# Altium PCB GPS_TRACKER.PcbDoc (part 1 of 2)
Units mm, origin at the board's own origin, x right, y up, seen from the top; angles counter-clockwise.
Board outline 98 x 99.63 mm, 2 copper layers (Top Layer, Bottom Layer), stack 1.57 mm thick; 93 components, 62 nets, 358 pads, 662 vias.
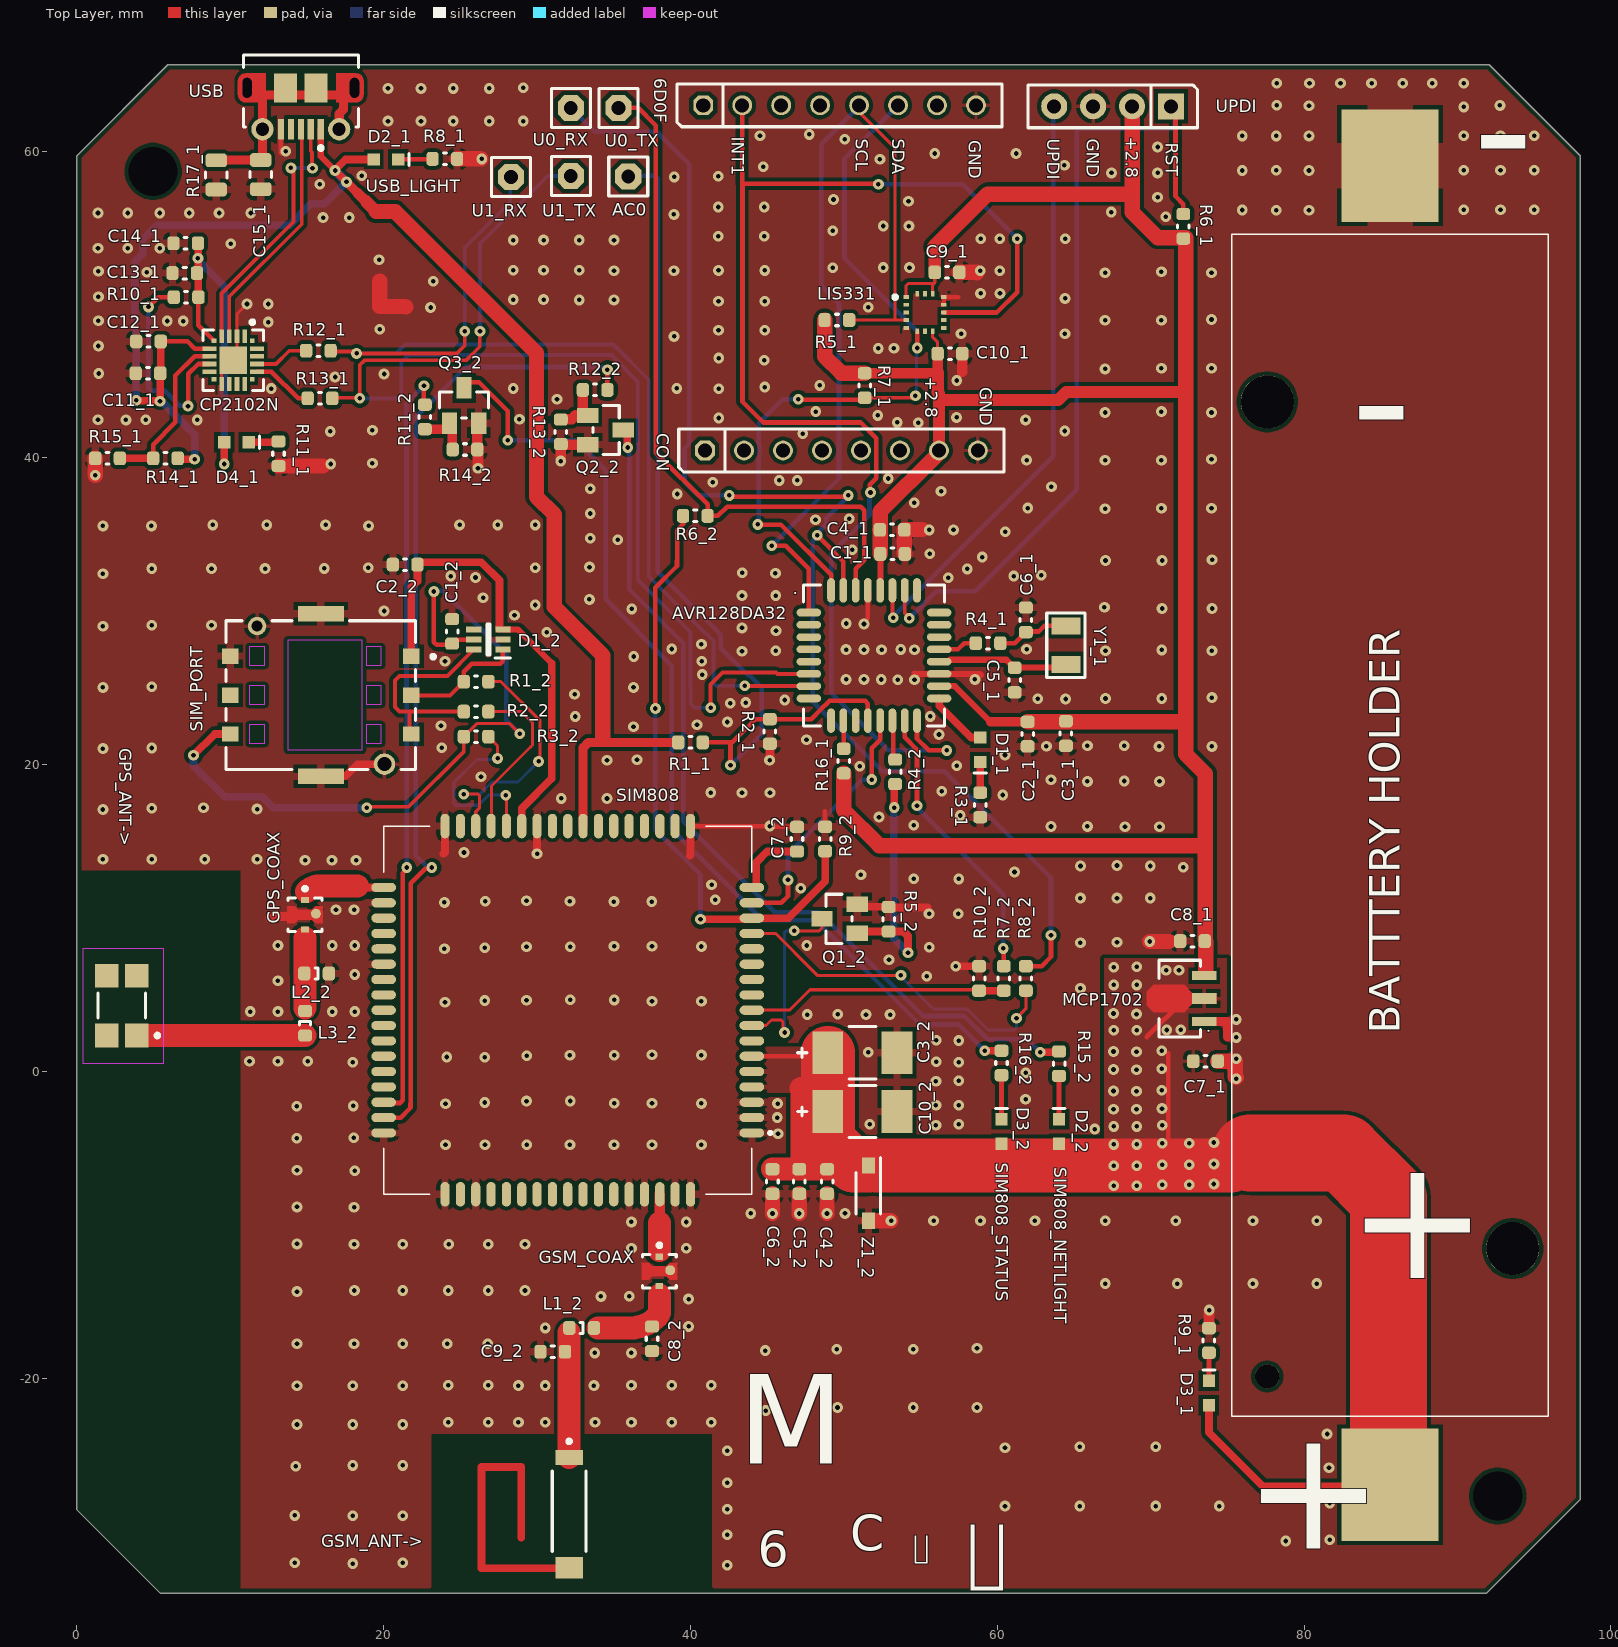
[diagram p0: Top Layer view]
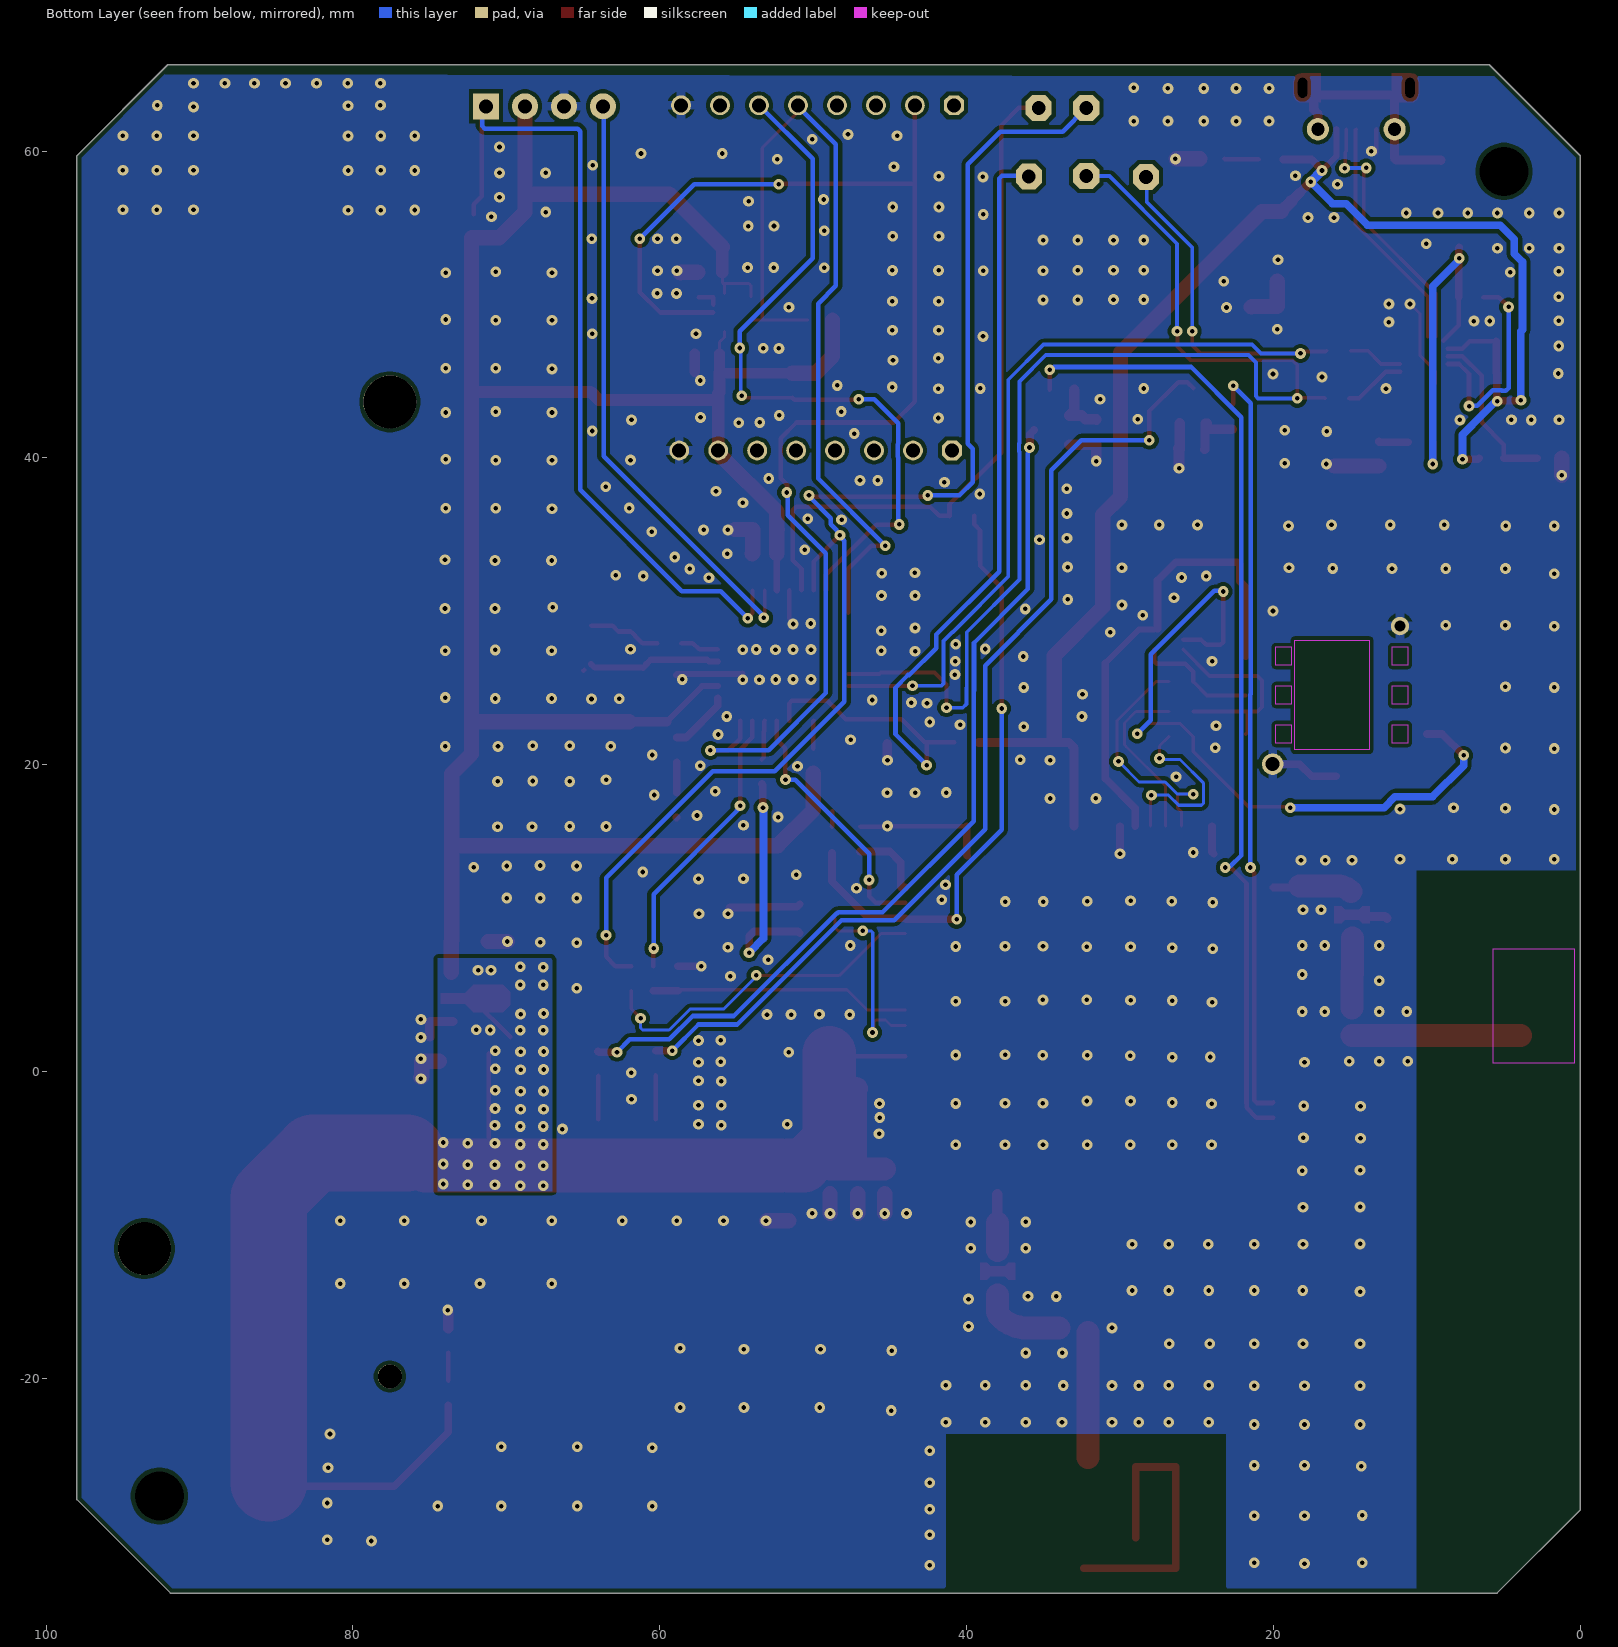
[diagram p1: Bottom Layer view, seen from below]

## Layer stack, top to bottom
Top Solder: solder mask 0.01, Solder Resist, Dk 3.5
Top Layer: signal copper 0.035
Dielectric1: core 1.5, FR-4, Dk 4.3
Bottom Layer: signal copper 0.035
Bottom Solder: solder mask 0.01, Solder Resist, Dk 3.5

## Board outline
5.925,65.625 92.075,65.625 98,59.7 98,-27.9 91.9,-34 5.421,-34 0,-28.579 0,59.7

## Design rules (kind name [scope] priority, off if disabled: settings)
AcuteAngle [All] p1: minimum=8.90000000000000E+0001 checktracksonly=TRUE
BoardOutlineClearance BoardOutlineClearance_Overlay [OnLayer('Top Overlay','Bottom Overlay')] p1: gap=0.2 ignorepadtopadclearanceinfootprint=FALSE
BoardOutlineClearance [All] p2: gap=0.3 ignorepadtopadclearanceinfootprint=FALSE
Clearance GND_TOP [InNamedPolygon('GND_L01_P012')] p1: gap=0.25 ignorepadtopadclearanceinfootprint=FALSE
Clearance GND_BOT [InNamedPolygon('GND_L02_P003')] p2: gap=0.25 ignorepadtopadclearanceinfootprint=FALSE
Clearance "Net to Polygon 0.5mm" [InNet('your net here') vs (IsRegion)] p3: gap=0.25 ignorepadtopadclearanceinfootprint=FALSE
Clearance "Poly 0.3mm" [(IsRegion)] p4: gap=0.25 ignorepadtopadclearanceinfootprint=FALSE
Clearance [All] p5: gap=0.2 ignorepadtopadclearanceinfootprint=TRUE
ComponentClearance ComponentClearance_ignore [HasFootprint('NET_TIE_0.5mm')] p1: gap=0 collisioncheckmode=3 verticalgap=0 showdistances=FALSE
ComponentClearance [All] p2: gap=0.2 collisioncheckmode=3 verticalgap=0.2 showdistances=FALSE
DiffPairsRouting [All] p1: maxlimit=0.25 minlimit=0.25 mostfreqgap=0.25 toplayer_minwidth=0.25 toplayer_maxwidth=0.25 toplayer_prefwidth=0.25 bottomlayer_minwidth=0.25 bottomlayer_maxwidth=0.25 bottomlayer_prefwidth=0.25 maxuncoupledlength=12.7
FabricationTestPointUsage TestPointUsage [All] p1: valid=0 allowmultiple=FALSE
FabricationTestpoint Testpoint [All] p1: side=3 testpointundercomponent=TRUE minsize=1.016 maxsize=2.54 preferedsize=1.524 minholesize=0 maxholesize=1.016 preferedholesize=0.813 testpointgrid=0.025 allowsidetop=TRUE allowsidebottom=TRUE usegrid=TRUE gridtolerance=0
HoleSize [All] p1: absolutevalues=TRUE maxlimit=6 minlimit=0.25 maxpercent=80.000 minpercent=20.000
HoleToHoleClearance [All] p1: gap=0.3 allowstackedmicrovias=FALSE
MinimumAnnularRing [All] p1: minimumring=0.15
MinimumSolderMaskSliver [All] p1: minsoldermaskwidth=0.05
PasteMaskExpansion PasteMaskExpansion_DNP [IsPad AND HasCompParameterValue('Populated','DNP')] p1: expansion=-5
PasteMaskExpansion [All] p2: expansion=0
PlaneClearance PlaneClearance_pads [IsPad] p1: clearance=0.25
PlaneClearance PlaneClearance_drill [IsObjectKind('Hole')] p2: clearance=0.4
PlaneConnect PlaneConnect_full [IsVia] p1: planeconnectstyle=Direct reliefexpansion=0.5 reliefentries=4 reliefconductorwidth=0.3 reliefairgap=0.3
PlaneConnect [All] p2: planeconnectstyle=Relief reliefexpansion=0.3 reliefentries=4 reliefconductorwidth=0.3 reliefairgap=0.25
PolygonConnect PolygonConnect_1 [All vs IsNamedPolygon('GND_L01_P013')] p1: thpad.connectstyle=Relief thpad.reliefconductorwidth=0.254 thpad.reliefentries=4 thpad.polygonreliefangle="90 Angle" thpad.airgapwidth=0.254 smdpad.connectstyle=Relief smdpad.reliefconductorwidth=3 smdpad.reliefentries=4 smdpad.polygonreliefangle="90 Angle" smdpad.airgapwidth=0.254 via.connectstyle=Direct via.reliefconductorwidth=0.254 via.reliefentries=4 via.polygonreliefangle="90 Angle" via.airgapwidth=0.254
PolygonConnect VBAT_BOT [All vs IsNamedPolygon('VBAT_L02_P003')] p2: thpad.connectstyle=Relief thpad.reliefconductorwidth=0.254 thpad.reliefentries=4 thpad.polygonreliefangle="90 Angle" thpad.airgapwidth=0.254 smdpad.connectstyle=Relief smdpad.reliefconductorwidth=0.254 smdpad.reliefentries=4 smdpad.polygonreliefangle="90 Angle" smdpad.airgapwidth=0.254 via.connectstyle=Direct via.reliefconductorwidth=0.254 via.reliefentries=4 via.polygonreliefangle="90 Angle" via.airgapwidth=0.254
PolygonConnect VBAT_LDO [All vs IsNamedPolygon('VBAT_L01_P010')] p3: thpad.connectstyle=Relief thpad.reliefconductorwidth=0.254 thpad.reliefentries=4 thpad.polygonreliefangle="90 Angle" thpad.airgapwidth=0.254 smdpad.connectstyle=Relief smdpad.reliefconductorwidth=0.254 smdpad.reliefentries=4 smdpad.polygonreliefangle="90 Angle" smdpad.airgapwidth=0.254 via.connectstyle=Direct via.reliefconductorwidth=0.254 via.reliefentries=4 via.polygonreliefangle="90 Angle" via.airgapwidth=0.254
PolygonConnect BOT_GND [All vs IsNamedPolygon('GND_L02_P004')] p4: thpad.connectstyle=Relief thpad.reliefconductorwidth=0.6 thpad.reliefentries=4 thpad.polygonreliefangle="90 Angle" thpad.airgapwidth=0.254 smdpad.connectstyle=Relief smdpad.reliefconductorwidth=0.254 smdpad.reliefentries=4 smdpad.polygonreliefangle="90 Angle" smdpad.airgapwidth=0.254 via.connectstyle=Direct via.reliefconductorwidth=0.254 via.reliefentries=4 via.polygonreliefangle="90 Angle" via.airgapwidth=0.254
PolygonConnect GND_TOP_CONN [All vs IsNamedPolygon('GND_L01_P012')] p5: thpad.connectstyle=Relief thpad.reliefconductorwidth=0.254 thpad.reliefentries=4 thpad.polygonreliefangle="90 Angle" thpad.airgapwidth=0.254 smdpad.connectstyle=Relief smdpad.reliefconductorwidth=0.5 smdpad.reliefentries=4 smdpad.polygonreliefangle="90 Angle" smdpad.airgapwidth=0.254 via.connectstyle=Direct via.reliefconductorwidth=0.254 via.reliefentries=4 via.polygonreliefangle="90 Angle" via.airgapwidth=0.254
PolygonConnect GND_BOT_1 [All vs IsNamedPolygon('GND_L02_P003')] p6: thpad.connectstyle=Relief thpad.reliefconductorwidth=0.5 thpad.reliefentries=4 thpad.polygonreliefangle="90 Angle" thpad.airgapwidth=0.254 smdpad.connectstyle=Relief smdpad.reliefconductorwidth=0.254 smdpad.reliefentries=4 smdpad.polygonreliefangle="90 Angle" smdpad.airgapwidth=0.254 via.connectstyle=Direct via.reliefconductorwidth=0.254 via.reliefentries=4 via.polygonreliefangle="90 Angle" via.airgapwidth=0.254
PolygonConnect SIM808_VBAT_PINS [All vs IsNamedPolygon('VBAT_L01_P016')] p7: thpad.connectstyle=Relief thpad.reliefconductorwidth=0.254 thpad.reliefentries=4 thpad.polygonreliefangle="90 Angle" thpad.airgapwidth=0.254 smdpad.connectstyle=Direct smdpad.reliefconductorwidth=0.254 smdpad.reliefentries=4 smdpad.polygonreliefangle="90 Angle" smdpad.airgapwidth=0.254 via.connectstyle=Relief via.reliefconductorwidth=0.254 via.reliefentries=4 via.polygonreliefangle="90 Angle" via.airgapwidth=0.254
PolygonConnect +2.8_PAD [All vs IsNamedPolygon('+2.8_L01_P009')] p8: thpad.connectstyle=Relief thpad.reliefconductorwidth=0.254 thpad.reliefentries=4 thpad.polygonreliefangle="90 Angle" thpad.airgapwidth=0.254 smdpad.connectstyle=Relief smdpad.reliefconductorwidth=0.5 smdpad.reliefentries=4 smdpad.polygonreliefangle="90 Angle" smdpad.airgapwidth=0.254 via.connectstyle=Relief via.reliefconductorwidth=0.254 via.reliefentries=4 via.polygonreliefangle="90 Angle" via.airgapwidth=0.254
PolygonConnect RF_GND [All vs IsNamedPolygon('GND_L01_P010')] p9: thpad.connectstyle=Relief thpad.reliefconductorwidth=0.254 thpad.reliefentries=4 thpad.polygonreliefangle="90 Angle" thpad.airgapwidth=0.254 smdpad.connectstyle=Relief smdpad.reliefconductorwidth=2 smdpad.reliefentries=4 smdpad.polygonreliefangle="90 Angle" smdpad.airgapwidth=0.254 via.connectstyle=Direct via.reliefconductorwidth=0.254 via.reliefentries=4 via.polygonreliefangle="90 Angle" via.airgapwidth=0.254
PolygonConnect [All] p10: connectstyle=Relief reliefconductorwidth=0.3 reliefentries=4 polygonreliefangle="90 Angle" airgapwidth=0.25
RoutingCorners [All] p1: cornerstyle=45-Degree minsetback=2.5 maxsetback=2.5
RoutingVias [All] p1: holewidth=0.3 width=0.7 viastyle="Through Hole" minholewidth=0.3 minwidth=0.7 maxholewidth=1.6 maxwidth=0.7
SMDToCorner [All] p1: distance=39370
ShortCircuit [IsNet] p1: allowed=FALSE
SilkToSilkClearance [All] p1: silktosilkclearance=0.15
SilkToSolderMaskClearance SilkscreenOverComponentPads [IsPad] p1: minsilkscreentomaskgap=0.13 clearancetoexposedcopper=TRUE
SolderMaskExpansion SolderMaskExpansion_Component_Via [IsComponentVia] p1: expansion=0.075 istentingtop=FALSE soldermaskfromhole=TRUE
SolderMaskExpansion [All] p2: expansion=0.1 istentingtop=FALSE
UnRoutedNet [All] p1: checkbadconnections=TRUE
ViasUnderSMD [All] p1: allowed=FALSE
Width RF [InNetClass('RF')] p1 off: maxlimit=1.5 minlimit=1.5 preferedwidth=1.5 minimp=50.000000 maximp=50.000000 favimp=50.000000 // RF 50 ohm trace
Width GND_Width [InNet('GND')] p2: maxlimit=1 minlimit=0.2 preferedwidth=0.5 minimp=50.000000 maximp=50.000000 favimp=50.000000
Width [All] p3: maxlimit=7 minlimit=0.2 preferedwidth=0.3 minimp=50.000000 maximp=50.000000 favimp=50.000000
15 further rules are at their usual default settings.

## Classes and differential pairs
net class DIFF_USB: USB_D_N USB_D_P
net class RF: GPS_ANT GPS_RF_COAXIAL_OUT GSM_RF_COAXIAL_OUT
component class SIM808+RF: ANT1_2 ANT2_2 C1_2 C2_2 C3_2 C4_2 C5_2 C6_2 C7_2 C8_2 C9_2 C10_2 D1_2 D2_2 D3_2 IC1_2 J1_2 J2_2 J3_2 L1_2 L2_2 L3_2 Q1_2 Q2_2 Q3_2 R1_2 R2_2 R3_2 R4_2 R5_2 R6_2 R7_2 R8_2 R9_2 R10_2 R11_2 R12_2 R13_2 R14_2 R15_2 R16_2 Z1_2
component class MCU+Power_Supply+Accel: 6D0F C1_1 C2_1 C3_1 C4_1 C5_1 C6_1 C7_1 C8_1 C9_1 C10_1 C11_1 C12_1 C13_1 C14_1 CON CP2102N D1_1 D2_1 D3_1 D4_1 J1_1 MCP1702 R1_1 R2_1 R3_1 R4_1 R5_1 R6_1 R7_1 R8_1 R9_1 R10_1 R11_1 R12_1 R13_1 R14_1 R15_1 U1_1 U4_1 UPDI Y1_1
differential pair USB_D: +USB_D_P -USB_D_N

## Components (designator, comment, footprint, x,y, rotation, side; value= is the part's Value field where it differs from the comment)
6D0F "Header 1x8" HDR_F_2.54_1x8 49.722,62.989 r0 top value="HDR-2.54 Female 1x8" (schematic designator J4_1)
AC0 "Header 1x1" HDR_M_2.54_1x1 35.943,58.346 r0 top (schematic designator TP1)
AVR128DA32 "AVR128DA32-E/PT" TQFP-32_7x7 51.964,27.122 r0 top value=AVR64DD32
"BATTTERY HOLDER" "Battery Holder - 1042" KEYSTONE-1042 85.6,16.059 r270 top (schematic designator U1_1)
C1_1 "Capacitor NP" CAP_C_0603 53.175,33.746 r180 top value=2.2uF
C1_2 "Capacitor NP" CAP_C_0603 24.459,28.697 r270 top value=22pF
C2_1 "Capacitor NP" CAP_C_0603 61.975,21.999 r90 top value=0.1uF
C2_2 "Capacitor NP" CAP_C_0603 21.4,33.05 r0 top value=1uF
C3_1 "Capacitor NP" CAP_C_0603 64.475,22.035 r90 top value=0.1uF
C3_2 "100u 10V" FP-TAJC-MFG 51.208,1.225 r180 top
C4_1 "Capacitor NP" CAP_C_0603 53.142,35.315 r180 top value=0.1uF
C4_2 "Capacitor NP" CAP_C_0603 48.904,-7.164 r270 top value=1uF
C5_1 "Capacitor NP" CAP_C_0603 61.133,25.522 r90 top value=10pF
C5_2 "Capacitor NP" CAP_C_0603 47.094,-7.161 r90 top value=33pF
C6_1 "Capacitor NP" CAP_C_0603 61.863,29.443 r270 top value=13pF
C6_2 "Capacitor NP" CAP_C_0603 45.344,-7.164 r270 top value=10pF
C7_1 "Capacitor NP" CAP_C_0603 73.572,0.677 r180 top value=1uF
C7_2 "Capacitor NP" CAP_C_0603 46.945,15.15 r270 top value=4.7uF
C8_1 "Capacitor NP" CAP_C_0603 72.72,8.506 r0 top value=1uF
C8_2 "Capacitor NP" CAP_C_0603 37.492,-17.419 r90 top value=3.9pF
C9_1 "Capacitor NP" CAP_C_0603 56.722,52.1 r180 top value=10uF
C9_2 "Capacitor NP" CAP_C_0603 31.021,-18.263 r0 top value=0.3pF
C10_1 "Capacitor NP" CAP_C_0603 56.916,46.794 r180 top value=0.1uF
C10_2 "100u 10V" FP-TAJC-MFG 51.208,-2.603 r180 top
C11_1 "Capacitor NP" CAP_C_0603 4.635,45.52 r0 top value=4.7uF
C12_1 "Capacitor NP" CAP_C_0603 4.668,47.594 r0 top value=0.1uF
C13_1 "Capacitor NP" CAP_C_0603 7.03,52.051 r0 top value=4.7uF
C14_1 "Capacitor NP" CAP_C_0603 7.092,53.992 r0 top value=0.1uF
C15_1 "Capacitor NP" CAP_C_0805 11.984,58.471 r270 top value=100pF
CON "Header 1x8" HDR_F_2.54_1x8 49.844,40.485 r0 top value="HDR-2.54 Female 1x8" (schematic designator J3_1)
CP2102N "CP2102N-A02-GQFN20" FP-CP2102N-A02-GQFN20-MFG 10.188,46.376 r270 top (schematic designator U5_1)
D1_1 "LED_red" LED_0603_RED 58.889,20.972 r270 top value=RED
D1_2 "SMF05C.TCT" SOT65P210X110-6N 26.825,28.159 r180 top
D2_1 "LED_blue" LED_0603_Blue 20.15,59.459 r0 top value=BLUE
D2_2 "LED_red" LED_0603_RED 64.025,-3.902 r90 top value=RED
D3_1 "LED_green_true" LED_0603_Green 73.797,-20.96 r90 top
D3_2 "LED_red" LED_0603_RED 60.275,-3.902 r90 top value=RED
D4_1 "LED_red" LED_0603_RED 10.413,41.018 r0 top value=RED
GPS_ANT-> "1462350001" FP-1462350001-MFG 2.925,4.3 r0 top (schematic designator ANT2_2)
GPS_COAX "MM8030-2610RJ3" FP-MM8030-2610RJ3-MFG 14.874,10.222 r270 top (schematic designator J3_2)
GSM_ANT-> "0868AT43A0020E" FP-0900AT43A0070E-MFG 32.087,-28.856 r270 top (schematic designator ANT1_2)
GSM_COAX "MM8030-2610RJ3" FP-MM8030-2610RJ3-MFG 37.973,-13.021 r270 top (schematic designator J2_2)
L1_2 "Inductor" IND_C_0603 32.906,-16.713 r180 top value=18nH
L2_2 "Inductor" IND_C_0603 15.627,6.393 r180 top value=18nH
L3_2 "Inductor" IND_C_0603 14.875,3.15 r270 top value=5.1nH
LIS331 "LIS331DLHTR" STM-LGA16-3X3X1 55.287,49.481 r0 top (schematic designator U4_1)
MCP1702 "MCP170X SOT-89-3_TO-92-3" SOT-89-3 71.745,4.757 r90 top value=MCP1702/2.8V (schematic designator U3_1)
Q1_2 "Transistor MOS-N GSD" SOT-23-3 49.723,9.96 r90 top value=2N7002-7-F
Q2_2 "Transistor MOS-N GSD" SOT-23-3 34.457,41.818 r270 top value=2N7002-7-F
Q3_2 "Transistor MOS-N GSD" SOT-23-3 25.239,43.412 r0 top value=2N7002-7-F
R1_1 "Resistor" RES_C_0603 40,21.455 r180 top value=220k
R1_2 "Resistor" RES_C_0603 26.025,25.415 r180 top value=22R
R2_1 "Resistor" RES_C_0603 45.175,22.172 r270 top value=470k
R2_2 "Resistor" RES_C_0603 26.025,23.465 r180 top value=22R
R3_1 "Resistor" RES_C_0603 58.889,17.382 r270 top value=220R
R3_2 "Resistor" RES_C_0603 26.025,21.83 r180 top value=22R
R4_1 "Resistor" RES_C_0603 59.397,27.922 r180 top value=0R
R4_2 "Resistor" RES_C_0603 53.342,19.54 r270 top value=4.7k
R5_1 "Resistor" RES_C_0603 49.542,48.99 r180 top value=4.7k
R5_2 "Resistor" RES_C_0603 52.914,9.93 r90 top value=47k
R6_1 "Resistor" RES_C_0603 72.125,55.095 r270 top value=4.7k
R6_2 "Resistor" RES_C_0603 40.314,36.221 r180 top value=0R
R7_1 "Resistor" RES_C_0603 51.358,44.725 r90 top value=4.7k
R7_2 "Resistor" RES_C_0603 60.423,6.071 r270 top value=0R
R8_1 "Resistor" RES_C_0603 23.987,59.492 r180 top value=220R
R8_2 "Resistor" RES_C_0603 61.863,6.071 r270 top value=0R
R9_1 "Resistor" RES_C_0603 73.797,-17.531 r270 top value=220R
R9_2 "Resistor" RES_C_0603 48.774,15.16 r270 top value=5.6k
R10_1 "Resistor" RES_C_0603 7.121,50.479 r0 top value=1k
R10_2 "Resistor" RES_C_0603 58.813,6.071 r270 top value=5.6k
R11_1 "Resistor" RES_C_0603 13.144,40.275 r90 top value=220R
R11_2 "Resistor" RES_C_0603 22.685,42.674 r270 top value=4.7k
R12_1 "Resistor" RES_C_0603 15.746,46.987 r180 top value=220R
R12_2 "Resistor" RES_C_0603 33.785,44.433 r180 top value=4.7k
R13_1 "Resistor" RES_C_0603 15.847,43.888 r180 top value=220R
R13_2 "Resistor" RES_C_0603 31.55,41.702 r270 top value=47k
R14_1 "Resistor" RES_C_0603 5.774,39.978 r0 top value=22.1k
R14_2 "Resistor" RES_C_0603 25.301,40.552 r0 top value=47k
R15_1 "Resistor" RES_C_0603 1.999,39.978 r0 top value=47.5k
R15_2 "Resistor" RES_C_0603 64.025,0.511 r270 top value=220R
R16_1 "Resistor" RES_C_0603 49.986,20.243 r90 top value=0R
R16_2 "Resistor" RES_C_0603 60.275,0.562 r270 top value=220R
R17_1 "Resistor" RES_C_0805 9.085,58.45 r270 top value=1M
SIM808 "GSM808" GSM808 32,4 r180 top locked (schematic designator IC1_2)
SIM_PORT "SIM8051-6-0-14-01-A" FP-SIM8051-6-0-14-01-A-MFG 15.9,24.54 r90 top (schematic designator J1_2)
U0_RX "Header 1x1" HDR_M_2.54_1x1 32.2,62.816 r0 top (schematic designator TP4)
U0_TX "Header 1x1" HDR_M_2.54_1x1 35.302,62.816 r0 top (schematic designator TP5)
U1_RX "Header 1x1" HDR_M_2.54_1x1 28.3,58.318 r0 top (schematic designator TP2)
U1_TX "Header 1x1" HDR_M_2.54_1x1 32.2,58.374 r0 top (schematic designator TP3)
UPDI "Header 1x4" HDR_F_2.54_1x4_U_TH_V_SAM_SSW-104-01-G-S 67.519,62.922 r180 top value="HDR-2.54 Female 1x4" (schematic designator J2_1)
USB "105017-0001" USB-MICRO-B_V 14.6,62.775 r180 top (schematic designator J1_1)
Y1_1 "Crystal 2 Pins" CRYSTAL_FX135A_L3.2W1.5H0.9 64.475,27.8 r90 top value=32.768kHz
Z1_2 "BZT52C5V1-TP" SOD3716X135N 51.6,-7.925 r270 top
